# Altium PCB H-00491.PcbDoc (part 2 of 2)
Units mm, origin at the board's own origin, x right, y up, seen from the top; angles counter-clockwise.
Board outline 159.99 x 100 mm, 2 copper layers (Top Layer, Bottom Layer), stack 1.536 mm thick; 33 components, 33 nets, 2018 pads, 77 vias.
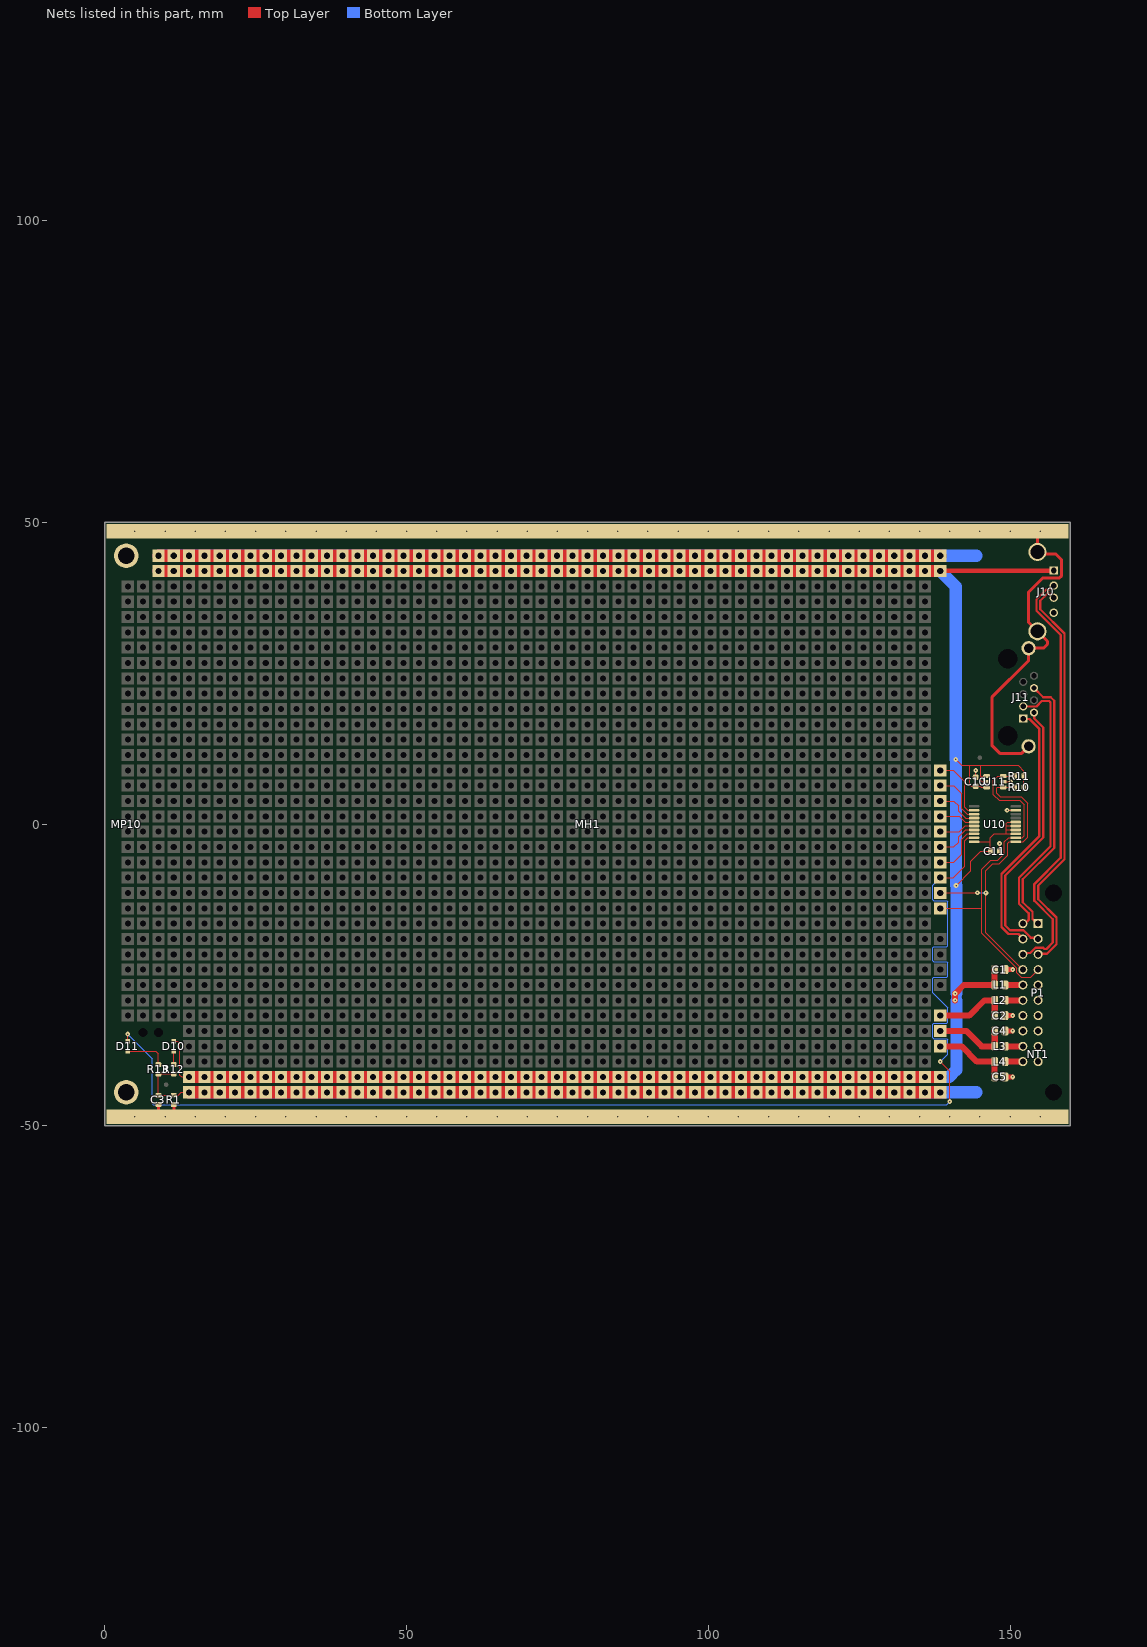
[diagram p2: the nets of this part, all layers, seen from the top]

## Via types
v1: diameter 0.8, hole 0.25, Top Layer to Bottom Layer, 77 vias

## Nets (pads, with @x,y where several pads share a name; then routed paths per layer and width w, separated by ;. In a path a pad name is that pad's centre, name@x,y a point inside that pad or via, vN(x,y) a via of type N, cw(c..) or ccw(c..) an arc to the next point about the centre after c; other vN are vias at no path point)
CANA_N: P1.A7
CANA_P: P1.B7
CANB_N: P1.A8
CANB_P: P1.B8
DETECT: NT1.2 P1.A10 | length 1
  Bottom Layer w0.2: P1.A10@154.66,-39.37 NT1.2@154.66,-38.347
GND: C1.1 C2.1 C3.2 C4.1 C5.1 C10.2 C11.2 J10.4 NT1.1 P1.A5 P1.A6 P1.A9 pad.0@8.89,44.45 pad.0@11.43,44.45 pad.0@13.97,44.45 pad.0@13.97,-44.45 pad.0@16.51,44.45 pad.0@16.51,-44.45 pad.0@19.05,44.45 pad.0@19.05,-44.45 pad.0@21.59,44.45 pad.0@21.59,-44.45 pad.0@24.13,44.45 pad.0@24.13,-44.45 pad.0@26.67,44.45 pad.0@26.67,-44.45 pad.0@29.21,44.45 pad.0@29.21,-44.45 pad.0@31.75,44.45 pad.0@31.75,-44.45 pad.0@34.29,44.45 pad.0@34.29,-44.45 pad.0@36.83,44.45 pad.0@36.83,-44.45 pad.0@39.37,44.45 pad.0@39.37,-44.45 pad.0@41.91,44.45 pad.0@41.91,-44.45 pad.0@44.45,44.45 pad.0@44.45,-44.45 pad.0@46.99,44.45 pad.0@46.99,-44.45 pad.0@49.53,44.45 pad.0@49.53,-44.45 pad.0@52.07,44.45 pad.0@52.07,-44.45 pad.0@54.61,44.45 pad.0@54.61,-44.45 pad.0@57.15,44.45 pad.0@57.15,-44.45 pad.0@59.69,44.45 pad.0@59.69,-44.45 pad.0@62.23,44.45 pad.0@62.23,-44.45 pad.0@64.77,44.45 pad.0@64.77,-44.45 pad.0@67.31,44.45 pad.0@67.31,-44.45 pad.0@69.85,44.45 pad.0@69.85,-44.45 pad.0@72.39,44.45 pad.0@72.39,-44.45 pad.0@74.93,44.45 pad.0@74.93,-44.45 pad.0@77.47,44.45 pad.0@77.47,-44.45 pad.0@80.01,44.45 pad.0@80.01,-44.45 pad.0@82.55,44.45 pad.0@82.55,-44.45 pad.0@85.09,44.45 pad.0@85.09,-44.45 pad.0@87.63,44.45 pad.0@87.63,-44.45 pad.0@90.17,44.45 pad.0@90.17,-44.45 pad.0@92.71,44.45 pad.0@92.71,-44.45 pad.0@95.25,44.45 pad.0@95.25,-44.45 pad.0@97.79,44.45 pad.0@97.79,-44.45 pad.0@100.33,44.45 pad.0@100.33,-44.45 pad.0@102.87,44.45 pad.0@102.87,-44.45 pad.0@105.41,44.45 pad.0@105.41,-44.45 pad.0@107.95,44.45 pad.0@107.95,-44.45 pad.0@110.49,44.45 pad.0@110.49,-44.45 pad.0@113.03,44.45 pad.0@113.03,-44.45 pad.0@115.57,44.45 pad.0@115.57,-44.45 pad.0@118.11,44.45 pad.0@118.11,-44.45 pad.0@120.65,44.45 pad.0@120.65,-44.45 pad.0@123.19,44.45 pad.0@123.19,-44.45 pad.0@125.73,44.45 pad.0@125.73,-44.45 pad.0@128.27,44.45 pad.0@128.27,-44.45 pad.0@130.81,44.45 pad.0@130.81,-44.45 pad.0@133.35,44.45 pad.0@133.35,-44.45 pad.0@135.89,44.45 pad.0@135.89,-44.45 pad.0@138.43,44.45 pad.0@138.43,-44.45 R1.1 R12.2 R13.2 U10.9 U11.2 | length 542.7
  Top Layer w0.2: R12.2@11.43,-41.415 R13.2@8.89,-41.415 C3.2@8.89,-44.97 12.143,-44.97 12.663,-44.45 pad.0@13.97,-44.45 ; C10.2@144.3,7.75 v1(144.3,8.89) ; C11.2@148.25,-4.5 v1(148.25,-3.236) ; U11.2@148.9,7 v1(150.1,7) ; v1(149.517,2.275) U10.9@150.955,2.275
  Top Layer w0.8: C5.1@149.16,-41.91 v1(150.43,-41.91) ; C4.1@149.16,-34.29 v1(150.43,-34.29) ; C2.1@149.16,-31.75 v1(150.43,-31.75) ; C1.1@149.16,-24.13 v1(150.43,-24.13)
  Top Layer w2: pad.0@8.89,44.45 pad.0@11.43,44.45 pad.0@13.97,44.45 pad.0@16.51,44.45 pad.0@19.05,44.45 pad.0@21.59,44.45 pad.0@24.13,44.45 pad.0@26.67,44.45 pad.0@29.21,44.45 pad.0@31.75,44.45 pad.0@34.29,44.45 pad.0@36.83,44.45 pad.0@39.37,44.45 pad.0@41.91,44.45 pad.0@44.45,44.45 pad.0@46.99,44.45 pad.0@49.53,44.45 pad.0@52.07,44.45 pad.0@54.61,44.45 pad.0@57.15,44.45 pad.0@59.69,44.45 pad.0@62.23,44.45 pad.0@64.77,44.45 pad.0@67.31,44.45 pad.0@69.85,44.45 pad.0@72.39,44.45 pad.0@74.93,44.45 pad.0@77.47,44.45 pad.0@80.01,44.45 pad.0@82.55,44.45 pad.0@85.09,44.45 pad.0@87.63,44.45 pad.0@90.17,44.45 pad.0@92.71,44.45 pad.0@95.25,44.45 pad.0@97.79,44.45 pad.0@100.33,44.45 pad.0@102.87,44.45 pad.0@105.41,44.45 pad.0@107.95,44.45 pad.0@110.49,44.45 pad.0@113.03,44.45 pad.0@115.57,44.45 pad.0@118.11,44.45 pad.0@120.65,44.45 pad.0@123.19,44.45 pad.0@125.73,44.45 pad.0@128.27,44.45 pad.0@130.81,44.45 pad.0@133.35,44.45 pad.0@135.89,44.45 pad.0@138.43,44.45 ; pad.0@13.97,-44.45 pad.0@16.51,-44.45 pad.0@19.05,-44.45 pad.0@21.59,-44.45 pad.0@24.13,-44.45 pad.0@26.67,-44.45 pad.0@29.21,-44.45 pad.0@31.75,-44.45 pad.0@34.29,-44.45 pad.0@36.83,-44.45 pad.0@39.37,-44.45 pad.0@41.91,-44.45 pad.0@44.45,-44.45 pad.0@46.99,-44.45 pad.0@49.53,-44.45 pad.0@52.07,-44.45 pad.0@54.61,-44.45 pad.0@57.15,-44.45 pad.0@59.69,-44.45 pad.0@62.23,-44.45 pad.0@64.77,-44.45 pad.0@67.31,-44.45 pad.0@69.85,-44.45 pad.0@72.39,-44.45 pad.0@74.93,-44.45 pad.0@77.47,-44.45 pad.0@80.01,-44.45 pad.0@82.55,-44.45 pad.0@85.09,-44.45 pad.0@87.63,-44.45 pad.0@90.17,-44.45 pad.0@92.71,-44.45 pad.0@95.25,-44.45 pad.0@97.79,-44.45 pad.0@100.33,-44.45 pad.0@102.87,-44.45 pad.0@105.41,-44.45 pad.0@107.95,-44.45 pad.0@110.49,-44.45 pad.0@113.03,-44.45 pad.0@115.57,-44.45 pad.0@118.11,-44.45 pad.0@120.65,-44.45 pad.0@123.19,-44.45 pad.0@125.73,-44.45 pad.0@128.27,-44.45 pad.0@130.81,-44.45 pad.0@133.35,-44.45 pad.0@135.89,-44.45 pad.0@138.43,-44.45
  Bottom Layer w0.2: NT1.1@154.66,-37.947 P1.A9@154.66,-36.83
  Bottom Layer w2: pad.0@8.89,44.45 pad.0@11.43,44.45 pad.0@13.97,44.45 pad.0@16.51,44.45 pad.0@19.05,44.45 pad.0@21.59,44.45 pad.0@24.13,44.45 pad.0@26.67,44.45 pad.0@29.21,44.45 pad.0@31.75,44.45 pad.0@34.29,44.45 pad.0@36.83,44.45 pad.0@39.37,44.45 pad.0@41.91,44.45 pad.0@44.45,44.45 pad.0@46.99,44.45 pad.0@49.53,44.45 pad.0@52.07,44.45 pad.0@54.61,44.45 pad.0@57.15,44.45 pad.0@59.69,44.45 pad.0@62.23,44.45 pad.0@64.77,44.45 pad.0@67.31,44.45 pad.0@69.85,44.45 pad.0@72.39,44.45 pad.0@74.93,44.45 pad.0@77.47,44.45 pad.0@80.01,44.45 pad.0@82.55,44.45 pad.0@85.09,44.45 pad.0@87.63,44.45 pad.0@90.17,44.45 pad.0@92.71,44.45 pad.0@95.25,44.45 pad.0@97.79,44.45 pad.0@100.33,44.45 pad.0@102.87,44.45 pad.0@105.41,44.45 pad.0@107.95,44.45 pad.0@110.49,44.45 pad.0@113.03,44.45 pad.0@115.57,44.45 pad.0@118.11,44.45 pad.0@120.65,44.45 pad.0@123.19,44.45 pad.0@125.73,44.45 pad.0@128.27,44.45 pad.0@130.81,44.45 pad.0@133.35,44.45 pad.0@135.89,44.45 pad.0@138.43,44.45 144.45,44.45 ; pad.0@13.97,-44.45 pad.0@16.51,-44.45 pad.0@19.05,-44.45 pad.0@21.59,-44.45 pad.0@24.13,-44.45 pad.0@26.67,-44.45 pad.0@29.21,-44.45 pad.0@31.75,-44.45 pad.0@34.29,-44.45 pad.0@36.83,-44.45 pad.0@39.37,-44.45 pad.0@41.91,-44.45 pad.0@44.45,-44.45 pad.0@46.99,-44.45 pad.0@49.53,-44.45 pad.0@52.07,-44.45 pad.0@54.61,-44.45 pad.0@57.15,-44.45 pad.0@59.69,-44.45 pad.0@62.23,-44.45 pad.0@64.77,-44.45 pad.0@67.31,-44.45 pad.0@69.85,-44.45 pad.0@72.39,-44.45 pad.0@74.93,-44.45 pad.0@77.47,-44.45 pad.0@80.01,-44.45 pad.0@82.55,-44.45 pad.0@85.09,-44.45 pad.0@87.63,-44.45 pad.0@90.17,-44.45 pad.0@92.71,-44.45 pad.0@95.25,-44.45 pad.0@97.79,-44.45 pad.0@100.33,-44.45 pad.0@102.87,-44.45 pad.0@105.41,-44.45 pad.0@107.95,-44.45 pad.0@110.49,-44.45 pad.0@113.03,-44.45 pad.0@115.57,-44.45 pad.0@118.11,-44.45 pad.0@120.65,-44.45 pad.0@123.19,-44.45 pad.0@125.73,-44.45 pad.0@128.27,-44.45 pad.0@130.81,-44.45 pad.0@133.35,-44.45 pad.0@135.89,-44.45 pad.0@138.43,-44.45 144.45,-44.45
GNDC: C3.1 J10.M1 J10.M2 J11.M1 J11.M2 MH1.1 MH1.2 MP10.M1 MP10.M2 R1.2 | length 360.5
  Top Layer w0.254: v1(5,-48.5) 8.89,-48.5 11.43,-48.5 v1(30,-48.5) v1(35,-48.5) v1(155,-48.5) ; v1(5,48.5) v1(15,48.5) v1(25,48.5) v1(35,48.5) v1(45,48.5) v1(55,48.5) v1(65,48.5) v1(75,48.5) v1(85,48.5) v1(95,48.5) v1(105,48.5) v1(115,48.5) v1(125,48.5) v1(135,48.5) v1(145,48.5) v1(155,48.5)
  Top Layer w0.5: MH1.2@8.89,-48.845 8.89,-48.5 C3.1@8.89,-46.47 ; MH1.2@11.43,-48.87 11.43,-48.5 R1.2@11.43,-46.495 ; J11.M1@153.075,12.87 153.075,12.845 151.93,11.7 148.3,11.7 147.045,12.955 147.045,21.075 153.075,27.105 J11.M2@153.075,29.13 155.532,29.13 156.202,29.8 156.202,30.258 153.075,33.385 153.075,38.445 155.364,40.734 158.119,40.734 158.54,41.155 158.54,43.76 157.53,44.77 J10.M1@154.83,44.77 ; J10.M1@154.53,45.07 MH1.1@154.53,48
  Top Layer w1: J10.M1@154.53,45.07 J10.M1@154.83,44.77
  other v1: 10,-48.5 15,-48.5 20,-48.5 25,-48.5 40,-48.5 45,-48.5 50,-48.5 55,-48.5 60,-48.5 65,-48.5 70,-48.5 75,-48.5 85,-48.5 90,-48.5 95,-48.5 100,-48.5 105,-48.5 110,-48.5 115,-48.5 120,-48.5 125,-48.5 130,-48.5 135,-48.5 140,-48.5 145,-48.5 150,-48.5 10,48.5 20,48.5 30,48.5 40,48.5 50,48.5 60,48.5 70,48.5 90,48.5 100,48.5 110,48.5 120,48.5 130,48.5 140,48.5 150,48.5
GPIO0: pad.0@138.43,8.89 U10.12 | length 11
  Top Layer w0.2: pad.0@138.43,8.89 140.61,8.89 142.5,7 142.5,2.763 142.971,2.292 144.228,2.292 U10.12@144.245,2.275
GPIO1: pad.0@138.43,6.35 U10.13 | length 9.2
  Top Layer w0.2: pad.0@138.43,6.35 140.65,6.35 142,5 142,2.49 142.865,1.625 U10.13@144.245,1.625
GPIO2: pad.0@138.43,3.81 U10.14 | length 7.5
  Top Layer w0.2: pad.0@138.43,3.81 140.69,3.81 141.5,3 141.5,2.147 142.672,0.975 U10.14@144.245,0.975
GPIO3: pad.0@138.43,1.27 U10.15 | length 6.2
  Top Layer w0.2: pad.0@138.43,1.27 141.609,1.27 142.554,0.325 U10.15@144.245,0.325
GPIO4: pad.0@138.43,-1.27 U10.16 | length 6.2
  Top Layer w0.2: pad.0@138.43,-1.27 141.609,-1.27 142.554,-0.325 U10.16@144.245,-0.325
GPIO5: pad.0@138.43,-3.81 U10.17 | length 7.5
  Top Layer w0.2: pad.0@138.43,-3.81 140.69,-3.81 141.5,-3 141.5,-2.147 142.672,-0.975 U10.17@144.245,-0.975
GPIO6: pad.0@138.43,-6.35 U10.18 | length 9.2
  Top Layer w0.2: pad.0@138.43,-6.35 140.65,-6.35 142,-5 142,-2.49 142.865,-1.625 U10.18@144.245,-1.625
GPIO7: D11.A pad.0@138.43,-8.89 U10.19 | length 211.5
  Top Layer w0.2: D11.A@3.812,-35.997 v1(3.812,-34.8) ; v1(138.43,-39.37) 140,-40.94 v1(140,-46) ; pad.0@138.43,-8.89 140.61,-8.89 142.5,-7 142.5,-2.763 142.971,-2.292 144.228,-2.292 U10.19@144.245,-2.275
  Bottom Layer w0.2: v1(3.812,-34.8) 7.887,-38.875 7.887,-46.383 8.004,-46.5 139.5,-46.5 v1(140,-46) ; v1(138.43,-39.37) 139.68,-38.12 139.68,-35.726 139.514,-35.56 137.346,-35.56 137.18,-35.394 137.18,-33.186 137.346,-33.02 139.514,-33.02 139.68,-32.854 139.68,-30.46 137.18,-27.96 137.18,-25.566 137.346,-25.4 139.514,-25.4 139.68,-25.234 139.68,-23.026 139.514,-22.86 137.346,-22.86 137.18,-22.694 137.18,-20.486 137.346,-20.32 139.514,-20.32 139.68,-20.154 139.68,-12.866 139.514,-12.7 137.346,-12.7 137.18,-12.534 137.18,-10.14 pad.0@138.43,-8.89
I2C_SCL: P1.B4 pad.0@138.43,-11.43 R10.2 U10.1 U11.1 | length 52.2
  Top Layer w0.2: pad.0@138.43,-11.43 138.46,-11.4 v1(144.6,-11.4) ; R10.2@150.756,6.05 147.904,6.05 147.787,5.933 147.787,5.113 148.4,4.5 151.829,4.5 152.917,3.413 152.917,-2.183 152.175,-2.925 U10.1@150.955,-2.925 149.903,-2.925 149.608,-3.22 149.608,-5.206 148.213,-6.6 147.1,-6.6 145.991,-7.709 v1(145.991,-11.43) 145.991,-18.001 P1.B4@152.12,-24.13
  Bottom Layer w0.2: v1(144.6,-11.4) 144.615,-11.415 145.976,-11.415 v1(145.991,-11.43)
I2C_SDA: P1.A4 pad.0@138.43,-13.97 R11.2 U10.2 U11.3 | length 58.4
  Top Layer w0.2: pad.0@138.43,-13.97 138.46,-14 145.3,-14 ; R11.2@150.756,7.95 U11.3@148.9,7.95 147.95,7.95 147.229,7.229 147.229,4.871 148.2,3.9 151.6,3.9 152.343,3.157 152.343,-1.957 152.025,-2.275 U10.2@150.955,-2.275 149.76,-2.275 149.058,-2.976 149.058,-4.919 147.977,-6 146.8,-6 145.3,-7.5 145.3,-14 ; P1.A4@154.66,-24.13 153.39,-25.4 151.889,-25.4 151.12,-24.631 151.12,-23.901 145.3,-18.081 145.3,-14
LAN_RX_N: J11.6 P1.A1 | length 44.5
  Top Layer w0.381: J11.6@153.965,22.53 155.496,20.999 155.812,20.999 156.738,20.999 157.331,20.406 157.331,-3.961 152.12,-9.172 152.12,-12.953 153.705,-14.539 153.705,-15.727 153.929,-15.95 154.1,-15.95 P1.A1@154.66,-16.51
LAN_RX_P: J11.3 P1.B1 | length 45
  Top Layer w0.381: P1.B1@152.12,-16.51 152.423,-16.51 152.798,-16.134 152.851,-16.134 153.074,-15.911 153.074,-14.8 151.489,-13.214 151.489,-8.911 156.7,-3.7 156.7,20.145 156.477,20.368 156.161,20.368 155.262,20.368 154.375,19.481 J11.3@152.186,19.481
LAN_TX_N: J11.2 P1.A2 | length 44.9
  Top Layer w0.381: J11.2@153.965,18.47 153.989,18.446 153.989,17.5 155.487,16.002 155.487,-2.252 149.2,-8.539 149.2,-16.8 150,-17.6 152.213,-17.6 153.448,-18.836 154.446,-18.836 P1.A2@154.66,-19.05
LAN_TX_P: J11.1 P1.B2 | length 43.2
  Top Layer w0.381: P1.B2@152.12,-19.05 152.12,-18.966 151.385,-18.231 149.739,-18.231 148.569,-17.061 148.569,-8.277 154.856,-1.99 154.856,15.741 153.203,17.393 152.242,17.393 J11.1@152.185,17.45
NetD10_C: D10.C R12.1 | length 2.2
  Top Layer w0.2: R12.1@11.43,-39.865 D10.C@11.43,-37.655
NetD11_C: D11.C R13.1 | length 7
  Top Layer w0.2: D11.C@3.812,-37.647 8.447,-37.647 8.89,-38.09 R13.1@8.89,-39.865
NetL1_2: L1.2 P1.B5 | length 2.9
  Top Layer w1: L1.2@149.175,-26.67 P1.B5@152.12,-26.67
NetL2_2: L2.2 P1.B6 | length 2.9
  Top Layer w1: L2.2@149.175,-29.21 P1.B6@152.12,-29.21
NetL3_2: L3.2 P1.B9 | length 2.9
  Top Layer w1: L3.2@149.175,-36.83 P1.B9@152.12,-36.83
NetL4_2: L4.2 P1.B10 | length 2.9
  Top Layer w1: L4.2@149.175,-39.37 P1.B10@152.12,-39.37
USB_D_N: J10.3 P1.A3 | length 68.4
  Top Layer w0.381: P1.A3@154.66,-21.59 154.765,-21.485 156.123,-21.485 157.7,-19.907 157.7,-15.508 154.66,-12.468 154.66,-10.2 159.031,-5.829 159.031,31.561 155,35.592 155,36.983 156.202,38.185 156.517,38.185 157.202,37.5 J10.3@157.24,37.5
USB_D_P: J10.2 P1.B3 | length 71.4
  Top Layer w0.381: P1.B3@152.12,-21.59 152.334,-21.376 153.332,-21.376 154.208,-20.499 155.507,-20.499 155.703,-20.696 156.019,-20.696 157.069,-19.646 157.069,-15.769 154.029,-12.729 154.029,-9.939 158.4,-5.568 158.4,31.3 154.369,35.331 154.369,37.244 155.94,38.816 156.517,38.816 157.202,39.5 J10.2@157.24,39.5
V_5P0: C1.2 C10.1 C11.1 D10.A J10.1 L1.1 pad.0@8.89,41.91 pad.0@11.43,41.91 pad.0@13.97,41.91 pad.0@13.97,-41.91 pad.0@16.51,41.91 pad.0@16.51,-41.91 pad.0@19.05,41.91 pad.0@19.05,-41.91 pad.0@21.59,41.91 pad.0@21.59,-41.91 pad.0@24.13,41.91 pad.0@24.13,-41.91 pad.0@26.67,41.91 pad.0@26.67,-41.91 pad.0@29.21,41.91 pad.0@29.21,-41.91 pad.0@31.75,41.91 pad.0@31.75,-41.91 pad.0@34.29,41.91 pad.0@34.29,-41.91 pad.0@36.83,41.91 pad.0@36.83,-41.91 pad.0@39.37,41.91 pad.0@39.37,-41.91 pad.0@41.91,41.91 pad.0@41.91,-41.91 pad.0@44.45,41.91 pad.0@44.45,-41.91 pad.0@46.99,41.91 pad.0@46.99,-41.91 pad.0@49.53,41.91 pad.0@49.53,-41.91 pad.0@52.07,41.91 pad.0@52.07,-41.91 pad.0@54.61,41.91 pad.0@54.61,-41.91 pad.0@57.15,41.91 pad.0@57.15,-41.91 pad.0@59.69,41.91 pad.0@59.69,-41.91 pad.0@62.23,41.91 pad.0@62.23,-41.91 pad.0@64.77,41.91 pad.0@64.77,-41.91 pad.0@67.31,41.91 pad.0@67.31,-41.91 pad.0@69.85,41.91 pad.0@69.85,-41.91 pad.0@72.39,41.91 pad.0@72.39,-41.91 pad.0@74.93,41.91 pad.0@74.93,-41.91 pad.0@77.47,41.91 pad.0@77.47,-41.91 pad.0@80.01,41.91 pad.0@80.01,-41.91 pad.0@82.55,41.91 pad.0@82.55,-41.91 pad.0@85.09,41.91 pad.0@85.09,-41.91 pad.0@87.63,41.91 pad.0@87.63,-41.91 pad.0@90.17,41.91 pad.0@90.17,-41.91 pad.0@92.71,41.91 pad.0@92.71,-41.91 pad.0@95.25,41.91 pad.0@95.25,-41.91 pad.0@97.79,41.91 pad.0@97.79,-41.91 pad.0@100.33,41.91 pad.0@100.33,-41.91 pad.0@102.87,41.91 pad.0@102.87,-41.91 pad.0@105.41,41.91 pad.0@105.41,-41.91 pad.0@107.95,41.91 pad.0@107.95,-41.91 pad.0@110.49,41.91 pad.0@110.49,-41.91 pad.0@113.03,41.91 pad.0@113.03,-41.91 pad.0@115.57,41.91 pad.0@115.57,-41.91 pad.0@118.11,41.91 pad.0@118.11,-41.91 pad.0@120.65,41.91 pad.0@120.65,-41.91 pad.0@123.19,41.91 pad.0@123.19,-41.91 pad.0@125.73,41.91 pad.0@125.73,-41.91 pad.0@128.27,41.91 pad.0@128.27,-41.91 pad.0@130.81,41.91 pad.0@130.81,-41.91 pad.0@133.35,41.91 pad.0@133.35,-41.91 pad.0@135.89,41.91 pad.0@135.89,-41.91 pad.0@138.43,41.91 pad.0@138.43,-41.91 R10.1 R11.1 U10.3 U10.4 U10.5 U10.6 U10.20 U11.4 U11.5 U11.6 | length 681.7
  Top Layer w0.2: D10.A@11.43,-36.005 12.076,-36.005 12.412,-36.341 12.412,-41.608 12.714,-41.91 pad.0@13.97,-41.91 ; v1(141,10.7) 142,9.7 143.3,9.7 ; v1(141.055,-10.2) 143.5,-7.755 143.5,-6.178 145.178,-4.5 C11.1@146.75,-4.5 146.75,-2.925 ; U10.20@144.045,-2.925 146.75,-2.925 ; U11.6@146.1,6.05 146.089,6.061 145.262,6.061 145.073,6.25 143.553,6.25 143.3,6.503 143.3,9.7 ; U11.5@146.1,7 145.386,7 145.178,7.208 145.178,7.95 ; U11.4@146.1,7.95 145.178,7.95 ; U10.3@150.955,-1.625 149.4,-1.625 ; U10.4@150.955,-0.975 149.4,-0.975 ; U10.5@150.955,-0.325 149.4,-0.325 ; U10.6@150.955,0.325 149.625,0.325 149.4,0.1 149.4,-0.325 ; R10.1@152.306,6.05 R11.1@152.306,7.95 152.306,8.716 151.322,9.7 145.178,9.7 ; 143.3,9.7 145.178,9.7 ; 145.178,7.95 145.178,9.7 ; 146.75,-2.925 146.75,-2.25 147.375,-1.625 149.4,-1.625 ; 149.4,-1.625 149.4,-0.975 ; 149.4,-0.975 149.4,-0.325
  Top Layer w0.5: J10.1@157.195,41.955 J10.1@157.24,42
  Top Layer w0.8: pad.0@138.43,41.91 138.475,41.955 J10.1@157.195,41.955
  Top Layer w1: v1(140.9,-29.21) v1(140.9,-28.1) 142.33,-26.67 L1.1@147.445,-26.67 ; L1.1@147.445,-26.67 147.445,-24.145 C1.2@147.46,-24.13
  Top Layer w2: pad.0@8.89,41.91 pad.0@11.43,41.91 pad.0@13.97,41.91 pad.0@16.51,41.91 pad.0@19.05,41.91 pad.0@21.59,41.91 pad.0@24.13,41.91 pad.0@26.67,41.91 pad.0@29.21,41.91 pad.0@31.75,41.91 pad.0@34.29,41.91 pad.0@36.83,41.91 pad.0@39.37,41.91 pad.0@41.91,41.91 pad.0@44.45,41.91 pad.0@46.99,41.91 pad.0@49.53,41.91 pad.0@52.07,41.91 pad.0@54.61,41.91 pad.0@57.15,41.91 pad.0@59.69,41.91 pad.0@62.23,41.91 pad.0@64.77,41.91 pad.0@67.31,41.91 pad.0@69.85,41.91 pad.0@72.39,41.91 pad.0@74.93,41.91 pad.0@77.47,41.91 pad.0@80.01,41.91 pad.0@82.55,41.91 pad.0@85.09,41.91 pad.0@87.63,41.91 pad.0@90.17,41.91 pad.0@92.71,41.91 pad.0@95.25,41.91 pad.0@97.79,41.91 pad.0@100.33,41.91 pad.0@102.87,41.91 pad.0@105.41,41.91 pad.0@107.95,41.91 pad.0@110.49,41.91 pad.0@113.03,41.91 pad.0@115.57,41.91 pad.0@118.11,41.91 pad.0@120.65,41.91 pad.0@123.19,41.91 pad.0@125.73,41.91 pad.0@128.27,41.91 pad.0@130.81,41.91 pad.0@133.35,41.91 pad.0@135.89,41.91 pad.0@138.43,41.91 ; pad.0@13.97,-41.91 pad.0@16.51,-41.91 pad.0@19.05,-41.91 pad.0@21.59,-41.91 pad.0@24.13,-41.91 pad.0@26.67,-41.91 pad.0@29.21,-41.91 pad.0@31.75,-41.91 pad.0@34.29,-41.91 pad.0@36.83,-41.91 pad.0@39.37,-41.91 pad.0@41.91,-41.91 pad.0@44.45,-41.91 pad.0@46.99,-41.91 pad.0@49.53,-41.91 pad.0@52.07,-41.91 pad.0@54.61,-41.91 pad.0@57.15,-41.91 pad.0@59.69,-41.91 pad.0@62.23,-41.91 pad.0@64.77,-41.91 pad.0@67.31,-41.91 pad.0@69.85,-41.91 pad.0@72.39,-41.91 pad.0@74.93,-41.91 pad.0@77.47,-41.91 pad.0@80.01,-41.91 pad.0@82.55,-41.91 pad.0@85.09,-41.91 pad.0@87.63,-41.91 pad.0@90.17,-41.91 pad.0@92.71,-41.91 pad.0@95.25,-41.91 pad.0@97.79,-41.91 pad.0@100.33,-41.91 pad.0@102.87,-41.91 pad.0@105.41,-41.91 pad.0@107.95,-41.91 pad.0@110.49,-41.91 pad.0@113.03,-41.91 pad.0@115.57,-41.91 pad.0@118.11,-41.91 pad.0@120.65,-41.91 pad.0@123.19,-41.91 pad.0@125.73,-41.91 pad.0@128.27,-41.91 pad.0@130.81,-41.91 pad.0@133.35,-41.91 pad.0@135.89,-41.91 pad.0@138.43,-41.91
  Bottom Layer w2: pad.0@8.89,41.91 pad.0@11.43,41.91 pad.0@13.97,41.91 pad.0@16.51,41.91 pad.0@19.05,41.91 pad.0@21.59,41.91 pad.0@24.13,41.91 pad.0@26.67,41.91 pad.0@29.21,41.91 pad.0@31.75,41.91 pad.0@34.29,41.91 pad.0@36.83,41.91 pad.0@39.37,41.91 pad.0@41.91,41.91 pad.0@44.45,41.91 pad.0@46.99,41.91 pad.0@49.53,41.91 pad.0@52.07,41.91 pad.0@54.61,41.91 pad.0@57.15,41.91 pad.0@59.69,41.91 pad.0@62.23,41.91 pad.0@64.77,41.91 pad.0@67.31,41.91 pad.0@69.85,41.91 pad.0@72.39,41.91 pad.0@74.93,41.91 pad.0@77.47,41.91 pad.0@80.01,41.91 pad.0@82.55,41.91 pad.0@85.09,41.91 pad.0@87.63,41.91 pad.0@90.17,41.91 pad.0@92.71,41.91 pad.0@95.25,41.91 pad.0@97.79,41.91 pad.0@100.33,41.91 pad.0@102.87,41.91 pad.0@105.41,41.91 pad.0@107.95,41.91 pad.0@110.49,41.91 pad.0@113.03,41.91 pad.0@115.57,41.91 pad.0@118.11,41.91 pad.0@120.65,41.91 pad.0@123.19,41.91 pad.0@125.73,41.91 pad.0@128.27,41.91 pad.0@130.81,41.91 pad.0@133.35,41.91 pad.0@135.89,41.91 pad.0@138.43,41.91 141,39.34 v1(141,10.7) 141.055,10.645 v1@141.055,-10.155 ; pad.0@13.97,-41.91 pad.0@16.51,-41.91 pad.0@19.05,-41.91 pad.0@21.59,-41.91 pad.0@24.13,-41.91 pad.0@26.67,-41.91 pad.0@29.21,-41.91 pad.0@31.75,-41.91 pad.0@34.29,-41.91 pad.0@36.83,-41.91 pad.0@39.37,-41.91 pad.0@41.91,-41.91 pad.0@44.45,-41.91 pad.0@46.99,-41.91 pad.0@49.53,-41.91 pad.0@52.07,-41.91 pad.0@54.61,-41.91 pad.0@57.15,-41.91 pad.0@59.69,-41.91 pad.0@62.23,-41.91 pad.0@64.77,-41.91 pad.0@67.31,-41.91 pad.0@69.85,-41.91 pad.0@72.39,-41.91 pad.0@74.93,-41.91 pad.0@77.47,-41.91 pad.0@80.01,-41.91 pad.0@82.55,-41.91 pad.0@85.09,-41.91 pad.0@87.63,-41.91 pad.0@90.17,-41.91 pad.0@92.71,-41.91 pad.0@95.25,-41.91 pad.0@97.79,-41.91 pad.0@100.33,-41.91 pad.0@102.87,-41.91 pad.0@105.41,-41.91 pad.0@107.95,-41.91 pad.0@110.49,-41.91 pad.0@113.03,-41.91 pad.0@115.57,-41.91 pad.0@118.11,-41.91 pad.0@120.65,-41.91 pad.0@123.19,-41.91 pad.0@125.73,-41.91 pad.0@128.27,-41.91 pad.0@130.81,-41.91 pad.0@133.35,-41.91 pad.0@135.89,-41.91 pad.0@138.43,-41.91 139.928,-41.91 141.1,-40.738 v1@141.1,-29.21 ; v1@141.1,-28.1 v1@141.1,-10.2
V_24P0: C2.2 L2.1 pad.0@138.43,-31.75 | length 12.6
  Top Layer w1: pad.0@138.43,-31.75 143.23,-31.75 145.77,-29.21 L2.1@147.445,-29.21 147.46,-29.225 C2.2@147.46,-31.75
V_ADJ1: C5.2 L4.1 pad.0@138.43,-36.83 | length 12.6
  Top Layer w1: pad.0@138.43,-36.83 141.96,-36.83 144.5,-39.37 L4.1@147.445,-39.37 147.445,-41.91 C5.2@147.46,-41.91
V_ADJ2: C4.2 L3.1 pad.0@138.43,-34.29 | length 12.6
  Top Layer w1: pad.0@138.43,-34.29 142.76,-34.29 145.3,-36.83 L3.1@147.445,-36.83 147.46,-36.83 C4.2@147.46,-34.29
pads on no net: FID10.1 FID11.1 FID12.1 J11.4 J11.5 J11.7 J11.8 J11.M3 J11.M4 MP11.1 MP11.2 P1.M1 P1.M2 U10.7 U10.8 U10.10 U10.11

## Polygon pours and split planes (outlines as drawn)
no net on Top Layer "NONET_L-01_P-001" (solid, pour order 2): 4.175,-44.45 4.175,-43.675 3.81,-43.675
GNDC on Top Layer "NONET_L-01_P-001" (solid, pour order 1): 0.3,-49.701 0.3,49.7 6.1,49.7 6.1,44.45 cw(c3.56,44.45) 3.56,41.91 ccw(c3.56,40.35) 2,40.35 2,-40.35 ccw(c3.56,-40.35) 3.56,-41.91 cw(c3.56,-44.45) 6.1,-44.45 6.1,-49.7
GND on Bottom Layer "NONET_L-01_P-001" (solid, remove dead copper, pour order 0): 159.7,45.45 142.3,45.45 142.3,-45.45 159.7,-45.45

## Silkscreen, mask and mechanical layers (free items; w line width, h text height)
Top Overlay:
  text "GND" at 139.7,43.368 h1.2
  text "5V" at 139.7,40.828 h1.2
  text "IO0" at 139.7,7.808 h1.2
  text "IO1" at 139.7,5.268 h1.2
  text "IO2" at 139.7,2.728 h1.2
  text "IO3" at 139.7,0.188 h1.2
  text "IO4" at 139.7,-2.352 h1.2
  text "IO5" at 139.7,-4.892 h1.2
  text "IO6" at 139.7,-7.432 h1.2
  text "IO7" at 139.7,-9.972 h1.2
  text "SCL" at 139.7,-12.512 h1.2
  text "SDA" at 139.7,-15.052 h1.2
  text "CAN2H" at 139.7,-20.132 h1.2
  text "CAN2L" at 139.7,-22.672 h1.2
  text "CAN1H" at 139.7,-25.212 h1.2
  text "CAN1L" at 139.7,-27.752 h1.2
  text "24V" at 139.7,-32.832 h1.2
  text "VADJ2" at 139.7,-35.372 h1.2
  text "VADJ1" at 139.7,-37.912 h1.2
  text "5V" at 139.7,-42.992 h1.2
  text "GND" at 139.7,-45.532 h1.2
Top Solder:
  lines w2: 8.89,41.91 138.43,41.91 ; 8.89,44.45 138.43,44.45 ; 13.97,-44.45 138.43,-44.45 ; 13.97,-41.91 138.43,-41.91
Bottom Solder:
  lines w2: 13.97,-44.45 138.43,-44.45 ; 13.97,-41.91 138.43,-41.91
Board Regions:
  circle w0.254: c153.59,-34.869 r0.799
  circle w0.254: c156.13,-34.869 r0.87
Drill Drawing:
  circle w0.15: c179.308,-19.683 r0.4
  circle w0.15: c179.308,-19.683 r0.667
  circle w0.15: c179.308,-28.683 r0.667
  lines w0.15: 178.641,-35.35 178.641,-35.017 178.975,-34.683 178.641,-34.35 178.641,-34.017 178.975,-34.017 179.308,-34.35 179.641,-34.017 179.975,-34.017 179.975,-34.35 179.641,-34.683 179.975,-35.017 179.975,-35.35 179.641,-35.35 179.308,-35.017 178.975,-35.35 178.641,-35.35 ; 178.641,-32.017 178.975,-32.017 179.308,-32.35 179.641,-32.017 179.975,-32.017 179.641,-31.683 179.975,-31.35 179.641,-31.35 179.308,-31.017 178.975,-31.35 178.641,-31.35 178.975,-31.683 178.641,-32.017 ; 178.641,-26.017 178.975,-26.017 179.308,-26.35 179.641,-26.017 179.975,-26.017 179.641,-25.683 179.975,-25.35 179.641,-25.35 179.308,-25.017 178.975,-25.35 178.641,-25.35 178.975,-25.683 178.641,-26.017 ; 178.641,-23.017 178.975,-23.017 178.975,-23.35 179.641,-23.35 179.641,-23.017 179.975,-23.017 179.975,-22.35 179.641,-22.35 179.641,-22.017 178.975,-22.017 178.975,-22.35 178.641,-22.35 178.641,-23.017 ; 178.641,-16.017 179.975,-16.017 179.308,-17.35 178.641,-16.017 ; 178.641,-14.35 179.975,-14.35 179.975,-13.017 178.641,-13.017 178.641,-14.35 ; 178.641,-11.35 179.308,-11.017 179.975,-11.35 179.641,-10.683 179.975,-10.017 179.308,-10.35 178.641,-10.017 178.975,-10.683 178.641,-11.35 ; 178.641,-8.35 179.975,-8.35 179.975,-7.017 178.641,-7.017 178.641,-8.35 ; 178.908,-25.883 179.108,-25.883 179.308,-26.083 179.508,-25.883 179.708,-25.883 179.508,-25.683 179.708,-25.483 179.508,-25.483 179.308,-25.283 179.108,-25.483 178.908,-25.483 179.108,-25.683 178.908,-25.883 ; 178.908,-14.083 179.708,-14.083 179.708,-13.283 178.908,-13.283 178.908,-14.083
  lines w0.2: 177.461,-36.25 251.994,-36.25 ; 177.461,-6.25 251.994,-6.25 ; 177.476,-65.35 186.082,-65.35 205.1,-65.35 221.561,-65.35 234.309,-65.35 246.529,-65.35 ; 177.476,-62.35 186.082,-62.35 205.1,-62.35 221.561,-62.35 234.309,-62.35 246.529,-62.35 ; 177.476,-59.35 186.082,-59.35 205.1,-59.35 221.561,-59.35 234.309,-59.35 246.529,-59.35 ; 177.476,-56.35 186.082,-56.35 205.1,-56.35 221.561,-56.35 234.309,-56.35 246.529,-56.35 ; 177.476,-53.35 186.082,-53.35 205.1,-53.35 221.561,-53.35 234.309,-53.35 246.529,-53.35 ; 177.476,-50.35 186.082,-50.35 205.1,-50.35 221.561,-50.35 234.309,-50.35 246.529,-50.35 ; 177.476,-47.35 246.529,-47.35 ; 186.082,-44.35 186.082,-68.35 ; 187.353,-39.25 187.353,-3.25 ; 198.251,-39.25 198.251,-3.25 ; 205.1,-44.35 205.1,-68.35 ; 209.347,-39.25 209.347,-3.25 ; 217.126,-39.25 217.126,-3.25 ; 221.561,-44.35 221.561,-68.35 ; 228.75,-39.25 228.75,-3.25 ; 234.309,-44.35 234.309,-68.35 ; 238.414,-39.25 238.414,-3.25 ; 186.082,-68.35 177.476,-68.35 177.476,-44.35 246.529,-44.35 246.529,-68.35 234.309,-68.35 ; 186.082,-68.35 205.1,-68.35 ; 205.1,-68.35 221.561,-68.35 ; 221.561,-68.35 234.309,-68.35 ; 177.461,-39.25 251.994,-39.25 251.994,-3.25 177.461,-3.25 177.461,-39.25
  text "Symbol" at 179.261,-5.35 h1.44
  text "Count" at 188.253,-5.35 h1.44
  text "Hole Size" at 199.151,-5.35 h1.44
  text "Plated" at 210.247,-5.35 h1.44
  text "Hole Type" at 218.026,-5.35 h1.44
  text "Via/Pad" at 229.65,-5.35 h1.44
  text "Pad Shape" at 239.314,-5.35 h1.44
  text "79" at 188.253,-8.35 h1.2
  text "0,25mm" at 199.151,-8.35 h1.2
  text "PTH" at 210.247,-8.35 h1.2
  text "Round" at 218.026,-8.35 h1.2
  text "(Mixed)" at 229.65,-8.35 h1.2
  text "(Mixed)" at 239.314,-8.35 h1.2
  text "8" at 188.253,-11.35 h1.2
  text "0,89mm" at 199.151,-11.35 h1.2
  text "PTH" at 210.247,-11.35 h1.2
  text "Round" at 218.026,-11.35 h1.2
  text "Pad" at 229.65,-11.35 h1.2
  text "Rounded" at 239.314,-11.35 h1.2
  text "4" at 188.253,-14.35 h1.2
  text "0,92mm" at 199.151,-14.35 h1.2
  text "PTH" at 210.247,-14.35 h1.2
  text "Round" at 218.026,-14.35 h1.2
  text "Pad" at 229.65,-14.35 h1.2
  text "Rounded" at 239.314,-14.35 h1.2
  text "1925" at 188.253,-17.35 h1.2
  text "1,00mm" at 199.151,-17.35 h1.2
  text "PTH" at 210.247,-17.35 h1.2
  text "Round" at 218.026,-17.35 h1.2
  text "Pad" at 229.65,-17.35 h1.2
  text "(Mixed)" at 239.314,-17.35 h1.2
  text "2" at 188.253,-20.35 h1.2
  text "1,50mm" at 199.151,-20.35 h1.2
  text "NPTH" at 210.247,-20.35 h1.2
  text "Round" at 218.026,-20.35 h1.2
  text "Pad" at 229.65,-20.35 h1.2
  text "Rounded" at 239.314,-20.35 h1.2
  text "2" at 188.253,-23.35 h1.2
  text "1,57mm" at 199.151,-23.35 h1.2
  text "PTH" at 210.247,-23.35 h1.2
  text "Round" at 218.026,-23.35 h1.2
  text "Pad" at 229.65,-23.35 h1.2
  text "Rounded" at 239.314,-23.35 h1.2
  text "2" at 188.253,-26.35 h1.2
  text "2,30mm" at 199.151,-26.35 h1.2
  text "PTH" at 210.247,-26.35 h1.2
  text "Round" at 218.026,-26.35 h1.2
  text "Pad" at 229.65,-26.35 h1.2
  text "Rounded" at 239.314,-26.35 h1.2
  text "2" at 188.253,-29.35 h1.2
  text "2,70mm" at 199.151,-29.35 h1.2
  text "PTH" at 210.247,-29.35 h1.2
  text "Round" at 218.026,-29.35 h1.2
  text "Pad" at 229.65,-29.35 h1.2
  text "Rounded" at 239.314,-29.35 h1.2
  text "2" at 188.253,-32.35 h1.2
  text "2,80mm" at 199.151,-32.35 h1.2
  text "NPTH" at 210.247,-32.35 h1.2
  text "Round" at 218.026,-32.35 h1.2
  text "Pad" at 229.65,-32.35 h1.2
  text "Rounded" at 239.314,-32.35 h1.2
  text "2" at 188.253,-35.35 h1.2
  text "3,25mm" at 199.151,-35.35 h1.2
  text "NPTH" at 210.247,-35.35 h1.2
  text "Round" at 218.026,-35.35 h1.2
  text "Pad" at 229.65,-35.35 h1.2
  text "Rounded" at 239.314,-35.35 h1.2
  text "2028 Total" at 188.253,-38.35 h1.2
  text "Layer" at 179.176,-46.6 h1.5
  text "Name" at 187.782,-46.6 h1.5
  text "Material" at 206.8,-46.6 h1.5
  text "Thickness" at 223.261,-46.6 h1.5
  text "Constant" at 236.009,-46.6 h1.5
  text "Top Overlay" at 187.782,-49.6 h1.5
  text "Top Solder" at 187.782,-52.6 h1.5
  text "Solder Resist" at 206.8,-52.6 h1.5
  text "0,010mm" at 223.261,-52.6 h1.5
  text "3.5" at 236.009,-52.6 h1.5
  text "1" at 179.176,-55.6 h1.5
  text "Top Layer" at 187.782,-55.6 h1.5
  text "0,018mm" at 223.261,-55.6 h1.5
  text "Dielectric 3" at 187.782,-58.6 h1.5
  text "FR-4" at 206.8,-58.6 h1.5
  text "1,500mm" at 223.261,-58.6 h1.5
  text "4.2" at 236.009,-58.6 h1.5
  text "2" at 179.176,-61.6 h1.5
  text "Bottom Layer" at 187.782,-61.6 h1.5
  text "0,018mm" at 223.261,-61.6 h1.5
  text "Bottom Solder" at 187.782,-64.6 h1.5
  text "Solder Resist" at 206.8,-64.6 h1.5
  text "0,010mm" at 223.261,-64.6 h1.5
  text "3.5" at 236.009,-64.6 h1.5
  text "Bottom Overlay" at 187.782,-67.6 h1.5
  text "Total board thickness:" at 179.176,-70.6 h1.5
  text "1,556mm" at 223.261,-70.6 h1.5

## Text inside footprints (layer, text, board x,y; h text height)
G10: Top Layer "1" at 143.5,17.05 h5 r90